# Altium PCB PCB.PcbDoc (part 8 of 10)
Units mil, origin at the board's own origin, x right, y up, seen from the top; angles counter-clockwise.
Board outline 3945.89 x 2165.35 mil, 8 copper layers (Component Side, PWR, Signal 1, Signal 2, GND1, Signal 3, GND2, Solder Side), stack 68.504 mil thick; 329 components, 323 nets, 1378 pads, 692 vias.
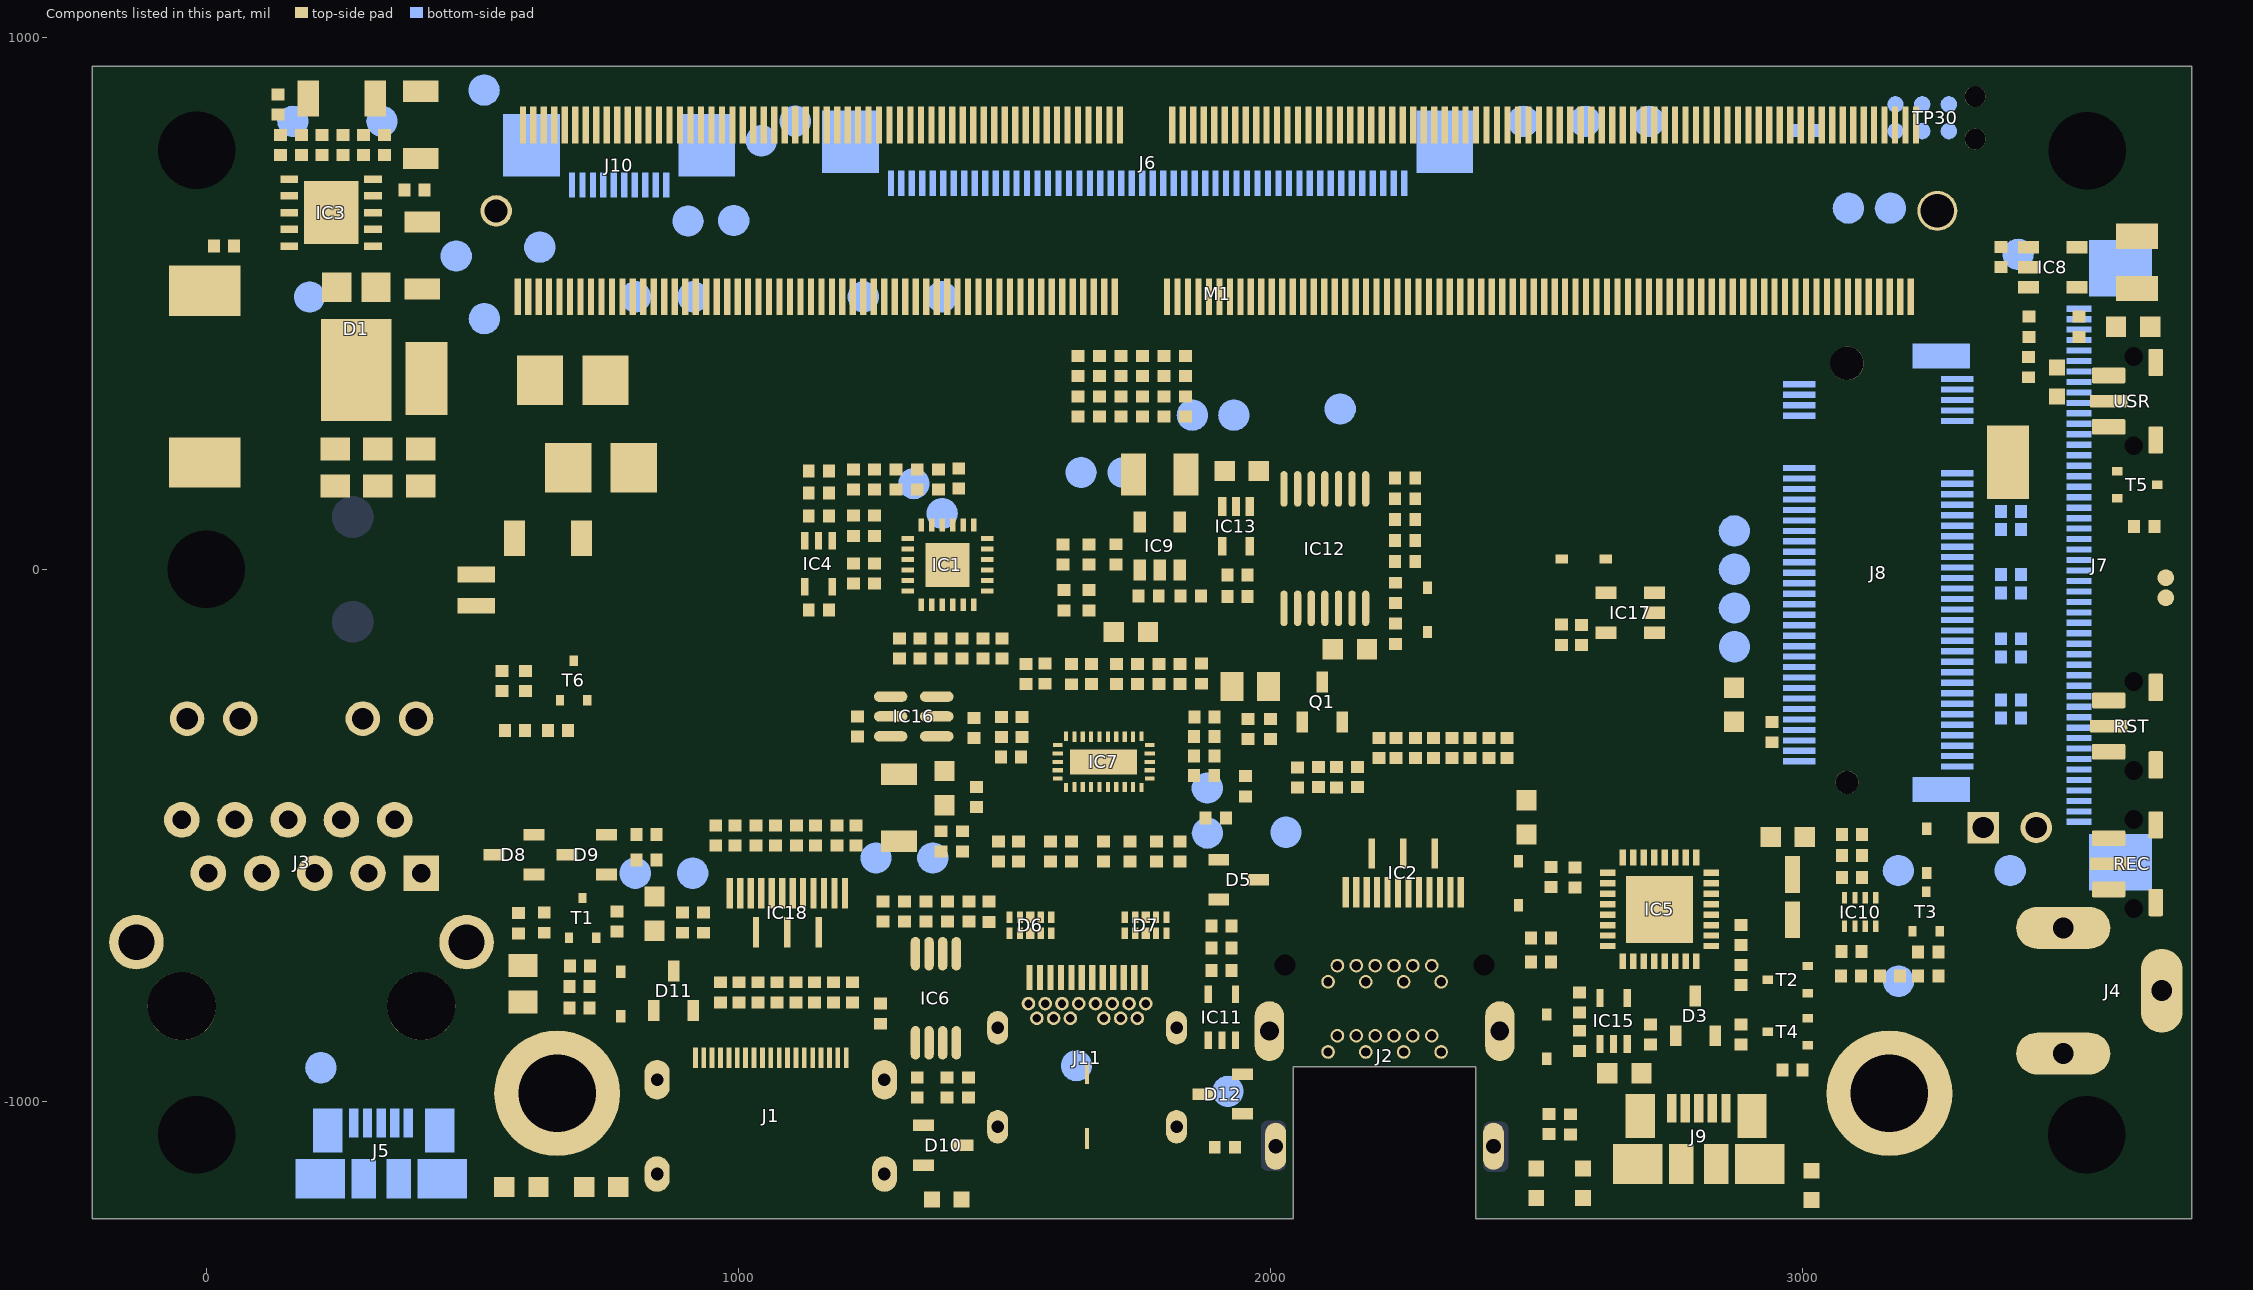
[diagram p14: the components of this part, seen from the top]

## Via types
v1: diameter 19.68, hole 5.91, Component Side to Solder Side, 599 vias
v2: diameter 23.62, hole 9.84, Component Side to Solder Side, 90 vias
v3: diameter 19.68, hole 7.87, Component Side to Solder Side, 3 vias

## Nets (pads, with @x,y where several pads share a name; then routed paths per layer and width w, separated by ;. In a path a pad name is that pad's centre, name@x,y a point inside that pad or via, vN(x,y) a via of type N, cw(c..) or ccw(c..) an arc to the next point about the centre after c; other vN are vias at no path point) (continued)
copper on no net: (continued)
  Solder Side w0.36: -32.81,591.25 -2.81,591.25 ; -32.81,591.61 -2.81,591.61 ; -32.45,591.97 -3.17,591.97 ; -32.45,592.33 -3.17,592.33 ; -32.09,585.1 -3.53,585.1 ; -31.36,585.46 -4.25,585.46 ; -30.64,323.75 -25.94,323.75 ; -30.64,324.11 -25.94,324.11 ; -30.64,324.47 -26.3,324.47 ; -30.28,322.3 -25.58,322.3 ; -30.28,322.66 -25.58,322.66 ; -30.28,323.02 -25.58,323.02 ; -30.28,323.38 -25.94,323.38 ; -29.92,321.21 -25.22,321.21 ; -29.92,321.58 -25.22,321.58 ; -29.92,321.94 -25.22,321.94 ; -29.56,320.13 -24.86,320.13 ; -29.56,320.49 -24.86,320.49 ; -29.56,320.85 -25.22,320.85 ; -29.2,318.68 -24.5,318.68 ; -29.2,319.05 -24.5,319.05 ; -29.2,319.41 -24.5,319.41 ; -29.2,319.77 -24.86,319.77 ; -28.83,317.6 -24.14,317.6 ; -28.83,317.96 -24.14,317.96 ; -28.83,318.32 -24.14,318.32 ; -28.47,316.52 -23.77,316.52 ; -28.47,316.88 -23.77,316.88 ; -28.47,317.24 -23.77,317.24 ; -28.11,315.07 -23.05,315.07 ; -28.11,315.43 -23.41,315.43 ; -28.11,315.79 -23.41,315.79 ; -28.11,316.15 -23.41,316.15 ; -27.75,313.98 -22.69,313.98 ; -27.75,314.35 -23.05,314.35 ; -27.75,314.71 -23.05,314.71 ; -27.39,312.9 -17.27,312.9 ; -27.39,313.26 -22.69,313.26 ; -27.39,313.62 -22.69,313.62 ; -27.03,311.45 -17.63,311.45 ; -27.03,311.82 -17.63,311.82 ; -27.03,312.18 -17.63,312.18 ; -27.03,312.54 -17.27,312.54 ; -27.03,356.64 -20.88,356.64 ; -27.03,357 -21.24,357 ; -27.03,357.36 -21.24,357.36 ; -27.03,357.73 -21.6,357.73 ; -27.03,358.09 -21.6,358.09 ; -27.03,358.45 -21.6,358.45 ; -27.03,358.81 -21.6,358.81 ; -27.03,359.17 -21.24,359.17 ; -27.03,359.53 -21.24,359.53 ; -27.03,359.89 -21.24,359.89 ; -27.03,360.26 -20.88,360.26 ; -26.67,310.37 -17.99,310.37 ; -26.67,310.73 -17.99,310.73 ; -26.67,311.09 -17.99,311.09 ; -26.67,355.56 -19.8,355.56 ; -26.67,355.92 -20.16,355.92 ; -26.67,356.28 -20.52,356.28 ; -26.67,360.62 -20.52,360.62 ; -26.67,360.98 -19.8,360.98 ; -26.67,361.34 -18.35,361.34 ; -26.3,308.92 -18.35,308.92 ; -26.3,309.29 -18.35,309.29 ; -26.3,309.65 -18.35,309.65 ; -26.3,310.01 -17.99,310.01 ; -26.3,354.47 -2.81,354.47 ; -26.3,354.83 -17.63,354.83 ; -26.3,355.19 -18.71,355.19 ; -26.3,361.7 -14.74,361.7 ; -26.3,362.06 -11.48,362.06 ; -26.3,362.42 -10.04,362.42 ; -26.3,374.72 -6.06,374.72 ; -25.94,307.84 -18.71,307.84 ; -25.94,308.2 -18.71,308.2 ; -25.94,308.56 -18.71,308.56 ; -25.94,354.11 -3.53,354.11 ; -25.94,362.79 -9.31,362.79 ; -25.94,374.35 -6.06,374.35 ; -25.94,375.08 -6.42,375.08 ; -25.58,306.76 -19.07,306.76 ; -25.58,307.12 -19.07,307.12 ; -25.58,307.48 -19.07,307.48 ; -25.58,353.75 -3.89,353.75 ; -25.58,363.15 -8.59,363.15 ; -25.58,363.51 -7.87,363.51 ; -25.58,373.99 -5.7,373.99 ; -25.58,375.44 -6.78,375.44 ; -25.22,305.31 -19.8,305.31 ; -25.22,305.67 -19.44,305.67 ; -25.22,306.03 -19.44,306.03 ; -25.22,306.39 -19.44,306.39 ; -25.22,353.03 -4.61,353.03 ; -25.22,353.39 -4.25,353.39 ; -25.22,363.87 -7.51,363.87 ; -25.22,373.63 -5.34,373.63 ; -24.86,304.59 -19.8,304.59 ; -24.86,304.95 -19.8,304.95 ; -24.86,352.66 -5.34,352.66 ; -24.86,364.23 -7.15,364.23 ; -24.86,372.91 -18.71,372.91 ; -24.86,373.27 -16.91,373.27 ; -24.86,375.8 -7.15,375.8 ; -24.5,364.59 -6.78,364.59 ; -24.5,372.55 -19.8,372.55 ; -24.5,376.16 -7.51,376.16 ; -24.14,352.3 -5.7,352.3 ; -24.14,364.95 -6.42,364.95 ; -24.14,372.18 -20.52,372.18 ; -23.77,351.94 -6.42,351.94 ; -23.77,371.82 -21.24,371.82 ; -23.77,376.52 -7.87,376.52 ; -23.41,351.58 -7.15,351.58 ; -23.41,365.32 -6.06,365.32 ; -23.41,371.46 -21.97,371.46 ; -23.05,371.1 -22.33,371.1 ; -23.05,376.88 -8.59,376.88 ; -22.69,351.22 -7.87,351.22 ; -22.69,365.68 -5.7,365.68 ; -22.33,377.25 -8.95,377.25 ; -21.97,313.26 -17.27,313.26 ; -21.97,313.62 -16.91,313.62 ; -21.97,313.98 -16.91,313.98 ; -21.97,350.86 -8.59,350.86 ; -21.97,366.04 -5.7,366.04 ; -21.6,314.35 -16.91,314.35 ; -21.6,314.71 -16.54,314.71 ; -21.6,315.07 -16.54,315.07 ; -21.6,315.43 -16.54,315.43 ; -21.24,315.79 -16.18,315.79 ; -21.24,316.15 -16.18,316.15 ; -21.24,316.52 -16.18,316.52 ; -21.24,350.5 -9.68,350.5 ; -21.24,377.61 -10.04,377.61 ; -20.88,316.88 -15.82,316.88 ; -20.88,317.24 -15.82,317.24 ; -20.88,317.6 -15.82,317.6 ; -20.88,317.96 -15.46,317.96 ; -20.52,318.32 -15.46,318.32 ; -20.52,318.68 -15.46,318.68 ; -20.52,319.05 -15.1,319.05 ; -20.52,319.41 -15.1,319.41 ; -20.52,366.4 -5.34,366.4 ; -20.16,319.77 -15.1,319.77 ; -20.16,320.13 -15.1,320.13 ; -20.16,320.49 -14.74,320.49 ; -20.16,350.13 -10.76,350.13 ; -20.16,377.97 -10.76,377.97 ; -19.8,320.85 -14.74,320.85 ; -19.8,321.21 -14.74,321.21 ; -19.8,321.58 -14.37,321.58 ; -19.8,321.94 -14.37,321.94 ; -19.44,322.3 -14.37,322.3 ; -19.44,322.66 -14.01,322.66 ; -19.44,323.02 -14.01,323.02 ; -19.44,323.38 -14.01,323.38 ; -19.07,323.75 -13.65,323.75 ; -19.07,324.11 -13.65,324.11 ; -19.07,324.47 -13.65,324.47 ; -18.71,324.83 -13.29,324.83 ; -18.71,325.19 -13.29,325.19 ; -18.71,325.55 -13.29,325.55 ; -18.71,325.91 -12.93,325.91 ; -18.71,378.33 -12.57,378.33 ; -18.35,326.28 -12.93,326.28 ; -18.35,326.64 -12.93,326.64 ; -18.35,327 -12.57,327 ; -18.35,327.36 -12.57,327.36 ; -18.35,349.77 -12.21,349.77 ; -17.99,327.72 -12.57,327.72 ; -17.99,328.08 -12.57,328.08 ; -17.99,328.44 -12.21,328.44 ; -17.63,328.81 -12.21,328.81 ; -17.63,329.17 -12.21,329.17 ; -17.63,329.53 -11.84,329.53 ; -17.63,329.89 -11.84,329.89 ; -17.27,330.25 -11.84,330.25 ; -17.27,330.61 -11.48,330.61 ; -17.27,330.97 -11.48,330.97 ; -17.27,331.34 -11.48,331.34 ; -17.27,366.76 -5.34,366.76 ; -16.91,331.7 -11.12,331.7 ; -16.91,332.06 -11.12,332.06 ; -16.91,332.42 -11.12,332.42 ; -16.54,332.78 -10.76,332.78 ; -15.82,516.06 56.48,516.06 ; -14.01,373.27 -5.34,373.27 ; -13.65,354.83 -3.17,354.83 ; -13.29,367.12 -5.34,367.12 ; -12.93,515.7 56.48,515.7 ; -12.21,355.19 -3.53,355.19 ; -12.21,367.49 -4.98,367.49 ; -12.21,372.91 -5.34,372.91 ; -11.48,367.85 -4.98,367.85 ; -11.48,372.55 -4.98,372.55 ; -11.12,372.18 -4.98,372.18 ; -11.12,515.33 56.48,515.33 ; -10.76,355.56 -3.89,355.56 ; -10.76,368.21 -4.98,368.21 ; -10.76,368.57 -4.98,368.57 ; -10.76,371.46 -4.98,371.46 ; -10.76,371.82 -4.98,371.82 ; -10.4,368.93 -4.61,368.93 ; -10.4,369.29 -4.61,369.29 ; -10.4,369.65 -4.61,369.65 ; -10.4,370.02 -4.61,370.02 ; -10.4,370.38 -4.61,370.38 ; -10.4,370.74 -4.61,370.74 ; -10.4,371.1 -4.98,371.1 ; -10.04,355.92 -4.25,355.92 ; -9.68,514.97 56.84,514.97 ; -9.31,356.28 -4.61,356.28 ; -8.95,356.64 -4.98,356.64 ; -8.23,357 -5.34,357 ; -8.23,514.61 56.84,514.61 ; -7.87,357.36 -5.7,357.36 ; -7.51,304.59 -2.08,304.59 ; -7.51,304.95 -2.08,304.95 ; -7.51,305.31 -2.08,305.31 ; -7.51,305.67 -2.08,305.67 ; -7.51,306.03 -2.08,306.03 ; -7.51,306.39 -2.08,306.39 ; -7.51,306.76 -2.08,306.76 ; -7.51,307.12 -2.08,307.12 ; -7.51,307.48 12.74,307.48 ; -7.51,307.84 13.1,307.84 ; -7.51,308.2 13.46,308.2 ; -7.51,308.56 13.46,308.56 ; -7.51,308.92 13.82,308.92 ; -7.51,309.29 14.18,309.29 ; -7.51,309.65 14.18,309.65 ; -7.51,310.01 1.89,310.01 ; -7.51,310.37 0.81,310.37 ; -7.51,310.73 0.45,310.73 ; -7.51,311.09 0.08,311.09 ; -7.51,311.45 -0.28,311.45 ; -7.51,311.82 -0.64,311.82 ; -7.51,312.18 -0.64,312.18 ; -7.51,312.54 -1,312.54 ; -7.51,312.9 -1.36,312.9 ; -7.51,313.26 -1.36,313.26 ; -7.51,313.62 -1.36,313.62 ; -7.51,313.98 -1.36,313.98 ; -7.51,314.35 -1.72,314.35 ; -7.51,314.71 -1.72,314.71 ; -7.51,315.07 -1.72,315.07 ; -7.51,315.43 -1.72,315.43 ; -7.51,315.79 -1.72,315.79 ; -7.51,316.15 -1.72,316.15 ; -7.51,316.52 -1.72,316.52 ; -7.51,316.88 -1.72,316.88 ; -7.51,317.24 -1.72,317.24 ; -7.51,317.6 -1.72,317.6 ; -7.51,317.96 -2.08,317.96 ; -7.51,318.32 -2.08,318.32 ; -7.51,318.68 -2.08,318.68 ; -7.51,319.05 -2.08,319.05 ; -7.51,319.41 -2.08,319.41 ; -7.51,319.77 -1.72,319.77 ; -7.51,320.13 -1.72,320.13 ; -7.51,320.49 -1.72,320.49 ; -7.51,320.85 -1.72,320.85 ; -7.51,321.21 -1.72,321.21 ; -7.51,321.58 -1.72,321.58 ; -7.51,321.94 -1.72,321.94 ; -7.51,322.3 -1.72,322.3 ; -7.51,322.66 -1.72,322.66 ; -7.51,323.02 -1.72,323.02 ; -7.51,323.38 -1.72,323.38 ; -7.51,323.75 -1.36,323.75 ; -7.51,324.11 -1.36,324.11 ; -7.51,324.47 -1.36,324.47 ; -7.51,324.83 -1,324.83 ; -7.51,325.19 -1,325.19 ; -7.51,325.55 -0.64,325.55 ; -7.51,325.91 -0.28,325.91 ; -7.51,326.28 -0.28,326.28 ; -7.51,326.64 0.45,326.64 ; -7.51,327 0.81,327 ; -7.51,327.36 1.53,327.36 ; -7.51,327.72 3.34,327.72 ; -7.51,328.08 14.18,328.08 ; -7.51,328.44 13.82,328.44 ; -7.51,328.81 13.82,328.81 ; -7.51,329.17 13.46,329.17 ; -7.51,329.53 13.1,329.53 ; -7.51,329.89 13.1,329.89 ; -7.51,330.25 -2.08,330.25 ; -7.51,330.61 -2.08,330.61 ; -7.51,330.97 -2.08,330.97 ; -7.51,331.34 -2.08,331.34 ; -7.51,331.7 -2.08,331.7 ; -7.51,332.06 -2.08,332.06 ; -7.51,332.42 -2.08,332.42 ; -7.51,332.78 -2.08,332.78 ; -7.51,333.14 -2.08,333.14 ; -7.51,333.51 -2.08,333.51 ; -7.51,333.87 -2.08,333.87 ; -7.51,334.23 -2.08,334.23 ; -7.51,334.59 -2.08,334.59 ; -7.51,334.95 -2.08,334.95 ; -7.51,335.31 -2.08,335.31 ; -7.51,335.67 -2.08,335.67 ; -7.51,336.04 -2.08,336.04 ; -7.51,336.4 -2.08,336.4 ; -7.51,336.76 -2.08,336.76 ; -7.51,337.12 -2.08,337.12 ; -7.51,337.48 -2.08,337.48 ; -7.51,337.84 -2.08,337.84 ; -7.51,338.2 -2.08,338.2 ; -7.51,338.57 -2.08,338.57 ; -7.51,338.93 -2.08,338.93 ; -7.51,339.29 -2.08,339.29 ; -7.51,339.65 -2.08,339.65 ; -7.51,340.01 -2.08,340.01 ; -7.51,340.37 -2.08,340.37 ; -7.51,340.74 -2.08,340.74 ; -7.51,341.1 -2.08,341.1 ; -7.51,341.46 -2.08,341.46 ; -7.51,341.82 -2.08,341.82 ; -7.51,342.18 -2.08,342.18 ; -7.51,342.54 -2.08,342.54 ; -7.51,342.9 -2.08,342.9 ; -7.51,343.27 -2.08,343.27 ; -7.51,343.63 -2.08,343.63 ; -7.51,343.99 -2.08,343.99 ; -7.51,344.35 -2.08,344.35 ; -7.51,357.73 -6.06,357.73 ; -7.51,514.25 57.2,514.25 ; -7.15,358.09 -6.42,358.09 ; -6.42,513.89 57.2,513.89 ; -6.06,456.77 57.2,456.77 ; -6.06,457.13 57.56,457.13 ; -6.06,457.5 57.56,457.5 ; -5.7,456.05 56.84,456.05 ; -5.7,456.41 57.2,456.41 ; -5.7,457.86 57.56,457.86 ; -5.7,513.53 57.2,513.53 ; -5.34,454.97 56.48,454.97 ; -5.34,455.33 56.84,455.33 ; -5.34,455.69 56.84,455.69 ; -5.34,458.22 57.92,458.22 ; -4.98,454.24 56.12,454.24 ; -4.98,454.6 56.48,454.6 ; -4.98,458.58 57.92,458.58 ; -4.98,513.17 57.56,513.17 ; -4.61,453.52 56.12,453.52 ; -4.61,453.88 56.12,453.88 ; -4.25,452.44 55.39,452.44 ; -4.25,452.8 55.75,452.8 ; -4.25,453.16 55.75,453.16 ; -4.25,458.94 58.28,458.94 ; -4.25,512.8 57.56,512.8 ; -3.89,451.71 55.39,451.71 ; -3.89,452.07 55.39,452.07 ; -3.89,459.3 58.28,459.3 ; -3.53,450.63 54.67,450.63 ; -3.53,450.99 55.03,450.99 ; -3.53,451.35 55.03,451.35 ; -3.53,512.44 57.92,512.44 ; -3.17,449.91 54.67,449.91 ; -3.17,450.27 54.67,450.27 ; -3.17,459.67 58.28,459.67 ; -2.81,449.18 54.31,449.18 ; -2.81,449.54 54.31,449.54 ; -2.81,460.03 58.65,460.03 ; -2.81,512.08 57.92,512.08 ; -2.45,448.1 53.95,448.1 ; -2.45,448.46 53.95,448.46 ; -2.45,448.82 53.95,448.82 ; -2.08,447.37 53.59,447.37 ; -2.08,447.74 53.59,447.74 ; -2.08,460.39 58.65,460.39 ; -2.08,511.72 58.28,511.72 ; -1.72,446.29 53.22,446.29 ; -1.72,446.65 53.22,446.65 ; -1.72,447.01 53.22,447.01 ; -1.72,460.75 59.01,460.75 ; -1.72,511.36 58.28,511.36 ; -1.36,307.12 12.38,307.12 ; -1.36,330.25 12.74,330.25 ; -1.36,445.57 52.86,445.57 ; -1.36,445.93 52.86,445.93 ; -1.36,461.11 59.01,461.11 ; -1,306.76 12.01,306.76 ; -1,330.61 12.38,330.61 ; -1,444.48 52.5,444.48 ; -1,444.84 52.5,444.84 ; -1,445.21 52.5,445.21 ; -1,511 58.28,511 ; -0.64,306.39 11.65,306.39 ; -0.64,330.97 12.01,330.97 ; -0.64,443.76 52.5,443.76 ; -0.64,444.12 52.5,444.12 ; -0.64,461.47 59.01,461.47 ; -0.64,510.64 58.65,510.64 ; -0.28,443.04 52.86,443.04 ; -0.28,443.4 52.86,443.4 ; -0.28,461.83 59.37,461.83 ; 0.08,306.03 11.29,306.03 ; 0.08,331.34 11.29,331.34 ; 0.08,441.95 53.59,441.95 ; 0.08,442.31 53.59,442.31 ; 0.08,442.68 53.22,442.68 ; 0.08,462.2 59.37,462.2 ; 0.08,510.27 58.65,510.27 ; 0.45,305.67 10.93,305.67 ; 0.45,331.7 10.93,331.7 ; 0.45,441.23 54.31,441.23 ; 0.45,441.59 53.95,441.59 ; 0.45,509.91 59.01,509.91 ; 0.81,440.14 55.03,440.14 ; 0.81,440.51 54.67,440.51 ; 0.81,440.87 54.31,440.87 ; 0.81,462.56 59.73,462.56 ; 0.81,509.55 59.01,509.55 ; 1.17,305.31 10.21,305.31 ; 1.17,332.06 10.21,332.06 ; 1.17,439.42 55.39,439.42 ; 1.17,439.78 55.03,439.78 ; 1.17,462.92 59.73,462.92 ; 1.53,438.7 55.75,438.7 ; 1.53,439.06 55.75,439.06 ; 1.53,463.28 59.73,463.28 ; 1.53,509.19 59.37,509.19 ; 1.89,304.95 9.48,304.95 ; 1.89,332.42 9.48,332.42 ; 1.89,437.61 56.84,437.61 ; 1.89,437.98 56.48,437.98 ; 1.89,438.34 56.12,438.34 ; 1.89,463.64 60.09,463.64 ; 1.89,508.83 59.37,508.83 ; 2.25,436.89 57.2,436.89 ; 2.25,437.25 56.84,437.25 ; 2.25,464 60.09,464 ; 2.25,508.47 59.37,508.47 ; 2.62,435.81 57.92,435.81 ; 2.62,436.17 57.56,436.17 ; 2.62,436.53 57.56,436.53 ; 2.62,464.36 60.45,464.36 ; 2.62,508.1 59.73,508.1 ; 2.98,304.59 8.4,304.59 ; 2.98,332.78 8.76,332.78 ; 2.98,435.08 58.28,435.08 ; 2.98,435.45 58.28,435.45 ; 2.98,507.74 59.73,507.74 ; 3.34,434 59.01,434 ; 3.34,434.36 59.01,434.36 ; 3.34,434.72 58.65,434.72 ; 3.34,464.73 60.45,464.73 ; 3.34,507.38 60.09,507.38 ; 3.7,433.28 59.73,433.28 ; 3.7,433.64 59.37,433.64 ; 3.7,465.09 60.45,465.09 ; 3.7,507.02 60.09,507.02 ; 4.06,432.55 60.09,432.55 ; 4.06,432.92 59.73,432.92 ; 4.06,465.45 60.82,465.45 ; 4.06,506.66 60.45,506.66 ; 4.42,327.72 14.18,327.72 ; 4.42,333.14 6.95,333.14 ; 4.42,431.47 60.82,431.47 ; 4.42,431.83 60.45,431.83 ; 4.42,432.19 60.45,432.19 ; 4.42,465.81 61.18,465.81 ; 4.42,466.17 61.18,466.17 ; 4.42,506.3 61.18,506.3 ; 4.78,430.75 61.54,430.75 ; 4.78,431.11 61.18,431.11 ; 4.78,466.53 61.9,466.53 ; 4.78,505.94 61.9,505.94 ; 5.15,304.22 5.87,304.22 ; 5.15,429.66 62.26,429.66 ; 5.15,430.02 61.9,430.02 ; 5.15,430.38 61.54,430.38 ; 5.15,466.9 63.35,466.9 ; 5.15,505.57 63.71,505.57 ; 5.51,428.94 62.62,428.94 ; 5.51,429.3 62.26,429.3 ; 5.51,467.26 65.15,467.26 ; 5.51,504.85 67.68,504.85 ; 5.51,505.21 65.51,505.21 ; 5.87,310.01 14.18,310.01 ; 5.87,428.22 62.98,428.22 ; 5.87,428.58 62.98,428.58 ; 5.87,467.62 66.96,467.62 ; 5.87,504.49 69.49,504.49 ; 6.23,327.36 14.54,327.36 ; 6.23,427.13 63.71,427.13 ; 6.23,427.49 63.71,427.49 ; 6.23,427.85 63.35,427.85 ; 6.23,467.98 69.13,467.98 ; 6.23,468.34 70.94,468.34 ; 6.23,504.13 71.3,504.13 ; 6.59,426.41 64.43,426.41 ; 6.59,426.77 64.07,426.77 ; 6.59,468.7 73.11,468.7 ; 6.59,503.41 75.27,503.41 ; 6.59,503.77 73.47,503.77 ; 6.95,310.37 14.54,310.37 ; 6.95,327 14.54,327 ; 6.95,425.32 65.15,425.32 ; 6.95,425.69 64.79,425.69 ; 6.95,426.05 64.43,426.05 ; 6.95,469.06 74.91,469.06 ; 6.95,469.43 76.72,469.43 ; 6.95,503.04 77.44,503.04 ; 7.31,310.73 14.54,310.73 ; 7.31,424.6 65.51,424.6 ; 7.31,424.96 65.51,424.96 ; 7.31,469.79 78.89,469.79 ; 7.31,502.32 81.06,502.32 ; 7.31,502.68 79.25,502.68 ; 7.68,311.09 14.54,311.09 ; 7.68,326.64 14.54,326.64 ; 7.68,423.52 66.24,423.52 ; 7.68,423.88 66.24,423.88 ; 7.68,424.24 65.88,424.24 ; 7.68,470.15 80.7,470.15 ; 7.68,470.51 82.5,470.51 ; 7.68,501.96 83.23,501.96 ; 8.04,311.45 14.91,311.45 ; 8.04,326.28 14.54,326.28 ; 8.04,422.79 66.96,422.79 ; 8.04,423.15 66.6,423.15 ; 8.04,470.87 84.67,470.87 ; 8.04,501.24 86.84,501.24 ; 8.04,501.6 85.03,501.6 ; 8.4,311.82 14.91,311.82 ; 8.4,325.55 14.91,325.55 ; 8.4,325.91 14.91,325.91 ; 8.4,422.07 67.32,422.07 ; 8.4,422.43 66.96,422.43 ; 8.4,471.23 86.48,471.23 ; 8.4,471.59 87.93,471.59 ; 8.4,500.51 88.65,500.51 ; 8.4,500.88 88.29,500.88 ; 8.76,312.18 14.91,312.18 ; 8.76,312.54 14.91,312.54 ; 8.76,324.83 14.91,324.83 ; 8.76,325.19 14.91,325.19 ; 8.76,420.99 67.68,420.99 ; 8.76,421.35 67.68,421.35 ; 8.76,421.71 67.32,421.71 ; 8.76,471.96 88.65,471.96 ; 8.76,472.32 88.65,472.32 ; 8.76,499.79 89.01,499.79 ; 8.76,500.15 89.01,500.15 ; 9.12,312.9 14.91,312.9 ; 9.12,313.26 14.91,313.26 ; 9.12,313.62 14.91,313.62 ; 9.12,323.75 14.91,323.75 ; 9.12,324.11 14.91,324.11 ; 9.12,324.47 14.91,324.47 ; 9.12,420.26 67.32,420.26 ; 9.12,420.62 67.32,420.62 ; 9.12,472.68 89.01,472.68 ; 9.12,473.04 89.01,473.04 ; 9.12,499.07 89.01,499.07 ; 9.12,499.43 89.01,499.43 ; 9.48,313.98 14.91,313.98 ; 9.48,314.35 15.27,314.35 ; 9.48,314.71 15.27,314.71 ; 9.48,315.07 15.27,315.07 ; 9.48,315.43 15.27,315.43 ; 9.48,315.79 15.27,315.79 ; 9.48,316.15 15.27,316.15 ; 9.48,316.52 15.27,316.52 ; 9.48,316.88 15.27,316.88 ; 9.48,317.24 15.27,317.24 ; 9.48,317.6 15.27,317.6 ; 9.48,320.13 15.27,320.13 ; 9.48,320.49 15.27,320.49 ; 9.48,320.85 15.27,320.85 ; 9.48,321.21 15.27,321.21 ; 9.48,321.58 15.27,321.58 ; 9.48,321.94 15.27,321.94 ; 9.48,322.3 15.27,322.3 ; 9.48,322.66 15.27,322.66 ; 9.48,323.02 15.27,323.02 ; 9.48,323.38 14.91,323.38 ; 9.48,419.18 66.24,419.18 ; 9.48,419.54 66.6,419.54 ; 9.48,419.9 66.96,419.9 ; 9.48,473.4 89.01,473.4 ; 9.48,473.76 89.01,473.76 ; 9.48,498.34 89.01,498.34 ; 9.48,498.71 89.01,498.71 ; 9.84,317.96 15.27,317.96 ; 9.84,318.32 15.27,318.32 ; 9.84,318.68 15.27,318.68 ; 9.84,319.05 15.27,319.05 ; 9.84,319.41 15.27,319.41 ; 9.84,319.77 15.27,319.77 ; 9.84,418.46 65.51,418.46 ; 9.84,418.82 65.88,418.82 ; 9.84,474.12 89.01,474.12 ; 9.84,474.49 89.01,474.49 ; 9.84,474.85 89.01,474.85 ; 9.84,497.62 89.01,497.62 ; 9.84,497.98 89.01,497.98 ; 10.21,417.73 64.79,417.73 ; 10.21,418.09 65.15,418.09 ; 10.21,475.21 89.01,475.21 ; 10.21,475.57 89.01,475.57 ; 10.21,475.93 89.01,475.93 ; 10.21,496.54 89.01,496.54 ; 10.21,496.9 89.01,496.9 ; 10.21,497.26 89.01,497.26 ; 10.57,416.65 63.71,416.65 ; 10.57,417.01 64.07,417.01 ; 10.57,417.37 64.43,417.37 ; 10.57,476.29 89.01,476.29 ; 10.57,476.66 89.01,476.66 ; 10.57,477.02 89.01,477.02 ; 10.57,495.45 89.01,495.45 ; 10.57,495.81 89.01,495.81 ; 10.57,496.18 89.01,496.18 ; 10.93,415.93 62.98,415.93 ; 10.93,416.29 63.35,416.29 ; 10.93,477.38 89.01,477.38 ; 10.93,477.74 89.01,477.74 ; 10.93,478.1 89.01,478.1 ; 10.93,494.37 89.01,494.37 ; 10.93,494.73 89.01,494.73 ; 10.93,495.09 89.01,495.09 ; 11.29,414.84 22.5,414.84 ; 11.29,415.2 23.22,415.2 ; 11.29,415.56 24.3,415.56 ; 11.29,478.46 89.01,478.46 ; 11.29,478.82 89.01,478.82 ; 11.29,479.19 89.01,479.19 ; 11.29,479.55 89.01,479.55 ; 11.29,492.92 89.01,492.92 ; 11.29,493.28 89.01,493.28 ; 11.29,493.65 89.01,493.65 ; 11.29,494.01 89.01,494.01 ; 11.65,414.12 21.05,414.12 ; 11.65,414.48 21.77,414.48 ; 11.65,479.91 89.01,479.91 ; 11.65,480.27 89.01,480.27 ; 11.65,480.63 89.01,480.63 ; 11.65,480.99 89.01,480.99 ; 11.65,481.35 89.01,481.35 ; 11.65,490.75 89.01,490.75 ; 11.65,491.12 89.01,491.12 ; 11.65,491.48 89.01,491.48 ; 11.65,491.84 89.01,491.84 ; 11.65,492.2 89.01,492.2 ; 11.65,492.56 89.01,492.56 ; 12.01,413.03 19.24,413.03 ; 12.01,413.39 19.97,413.39 ; 12.01,413.76 20.33,413.76 ; 12.01,481.72 89.01,481.72 ; 12.01,482.08 89.01,482.08 ; 12.01,482.44 89.01,482.44 ; 12.01,482.8 89.01,482.8 ; 12.01,483.16 89.01,483.16 ; 12.01,483.52 89.01,483.52 ; 12.01,483.89 89.01,483.89 ; 12.01,484.25 89.01,484.25 ; 12.01,484.61 89.01,484.61 ; 12.01,484.97 89.01,484.97 ; 12.01,485.33 89.01,485.33 ; 12.01,485.69 89.01,485.69 ; 12.01,486.42 89.01,486.42 ; 12.01,486.78 89.01,486.78 ; 12.01,487.14 89.01,487.14 ; 12.01,487.5 89.01,487.5 ; 12.01,487.86 89.01,487.86 ; 12.01,488.22 89.01,488.22 ; 12.01,488.58 89.01,488.58 ; 12.01,488.95 89.01,488.95 ; 12.01,489.31 89.01,489.31 ; 12.01,489.67 89.01,489.67 ; 12.01,490.03 89.01,490.03 ; 12.01,490.39 89.01,490.39 ; 12.38,412.31 17.8,412.31 ; 12.38,412.67 18.52,412.67 ; 12.38,486.05 89.01,486.05 ; 12.74,411.59 16.35,411.59 ; 12.74,411.95 17.07,411.95 ; 13.1,350.13 18.52,350.13 ; 13.1,350.5 18.52,350.5 ; 13.1,350.86 18.52,350.86 ; 13.1,351.22 18.52,351.22 ; 13.1,351.58 18.52,351.58 ; 13.1,351.94 18.52,351.94 ; 13.1,352.3 18.52,352.3 ; 13.1,352.66 18.52,352.66 ; 13.1,353.03 18.52,353.03 ; 13.1,353.39 18.52,353.39 ; 13.1,353.75 18.52,353.75 ; 13.1,354.11 18.52,354.11 ; 13.1,354.47 18.52,354.47 ; 13.1,354.83 18.52,354.83 ; 13.1,355.19 18.52,355.19 ; 13.1,355.56 18.52,355.56 ; 13.1,355.92 18.52,355.92 ; 13.1,356.28 18.52,356.28 ; 13.1,356.64 18.52,356.64 ; 13.1,357 18.52,357 ; 13.1,357.36 18.52,357.36 ; 13.1,357.73 18.52,357.73 ; 13.1,358.09 18.52,358.09 ; 13.1,358.45 18.52,358.45 ; 13.1,358.81 18.52,358.81 ; 13.1,359.17 18.52,359.17 ; 13.1,359.53 18.52,359.53 ; 13.1,359.89 18.52,359.89 ; 13.1,360.26 18.52,360.26 ; 13.1,360.62 18.52,360.62 ; 13.1,360.98 18.52,360.98 ; 13.1,361.34 18.52,361.34 ; 13.1,361.7 18.52,361.7 ; 13.1,362.06 18.52,362.06 ; 13.1,362.42 18.52,362.42 ; 13.1,362.79 18.52,362.79 ; 13.1,363.15 18.52,363.15 ; 13.1,363.51 